# Altium PCB Reefing.PcbDoc (part 1 of 2)
Units mil, origin at the board's own origin, x right, y up, seen from the top; angles counter-clockwise.
Board outline 1377.95 x 1968.5 mil, 6 copper layers (Top Layer, Mid Layer 1 (GND), Mid Layer 2 (SIG), Mid Layer 3 (PWR), Mid Layer 4 (GND), Bottom Layer), stack 62.874 mil thick; 159 components, 99 nets, 548 pads, 266 vias.
Unrouted connection lines stored in the file: 4.
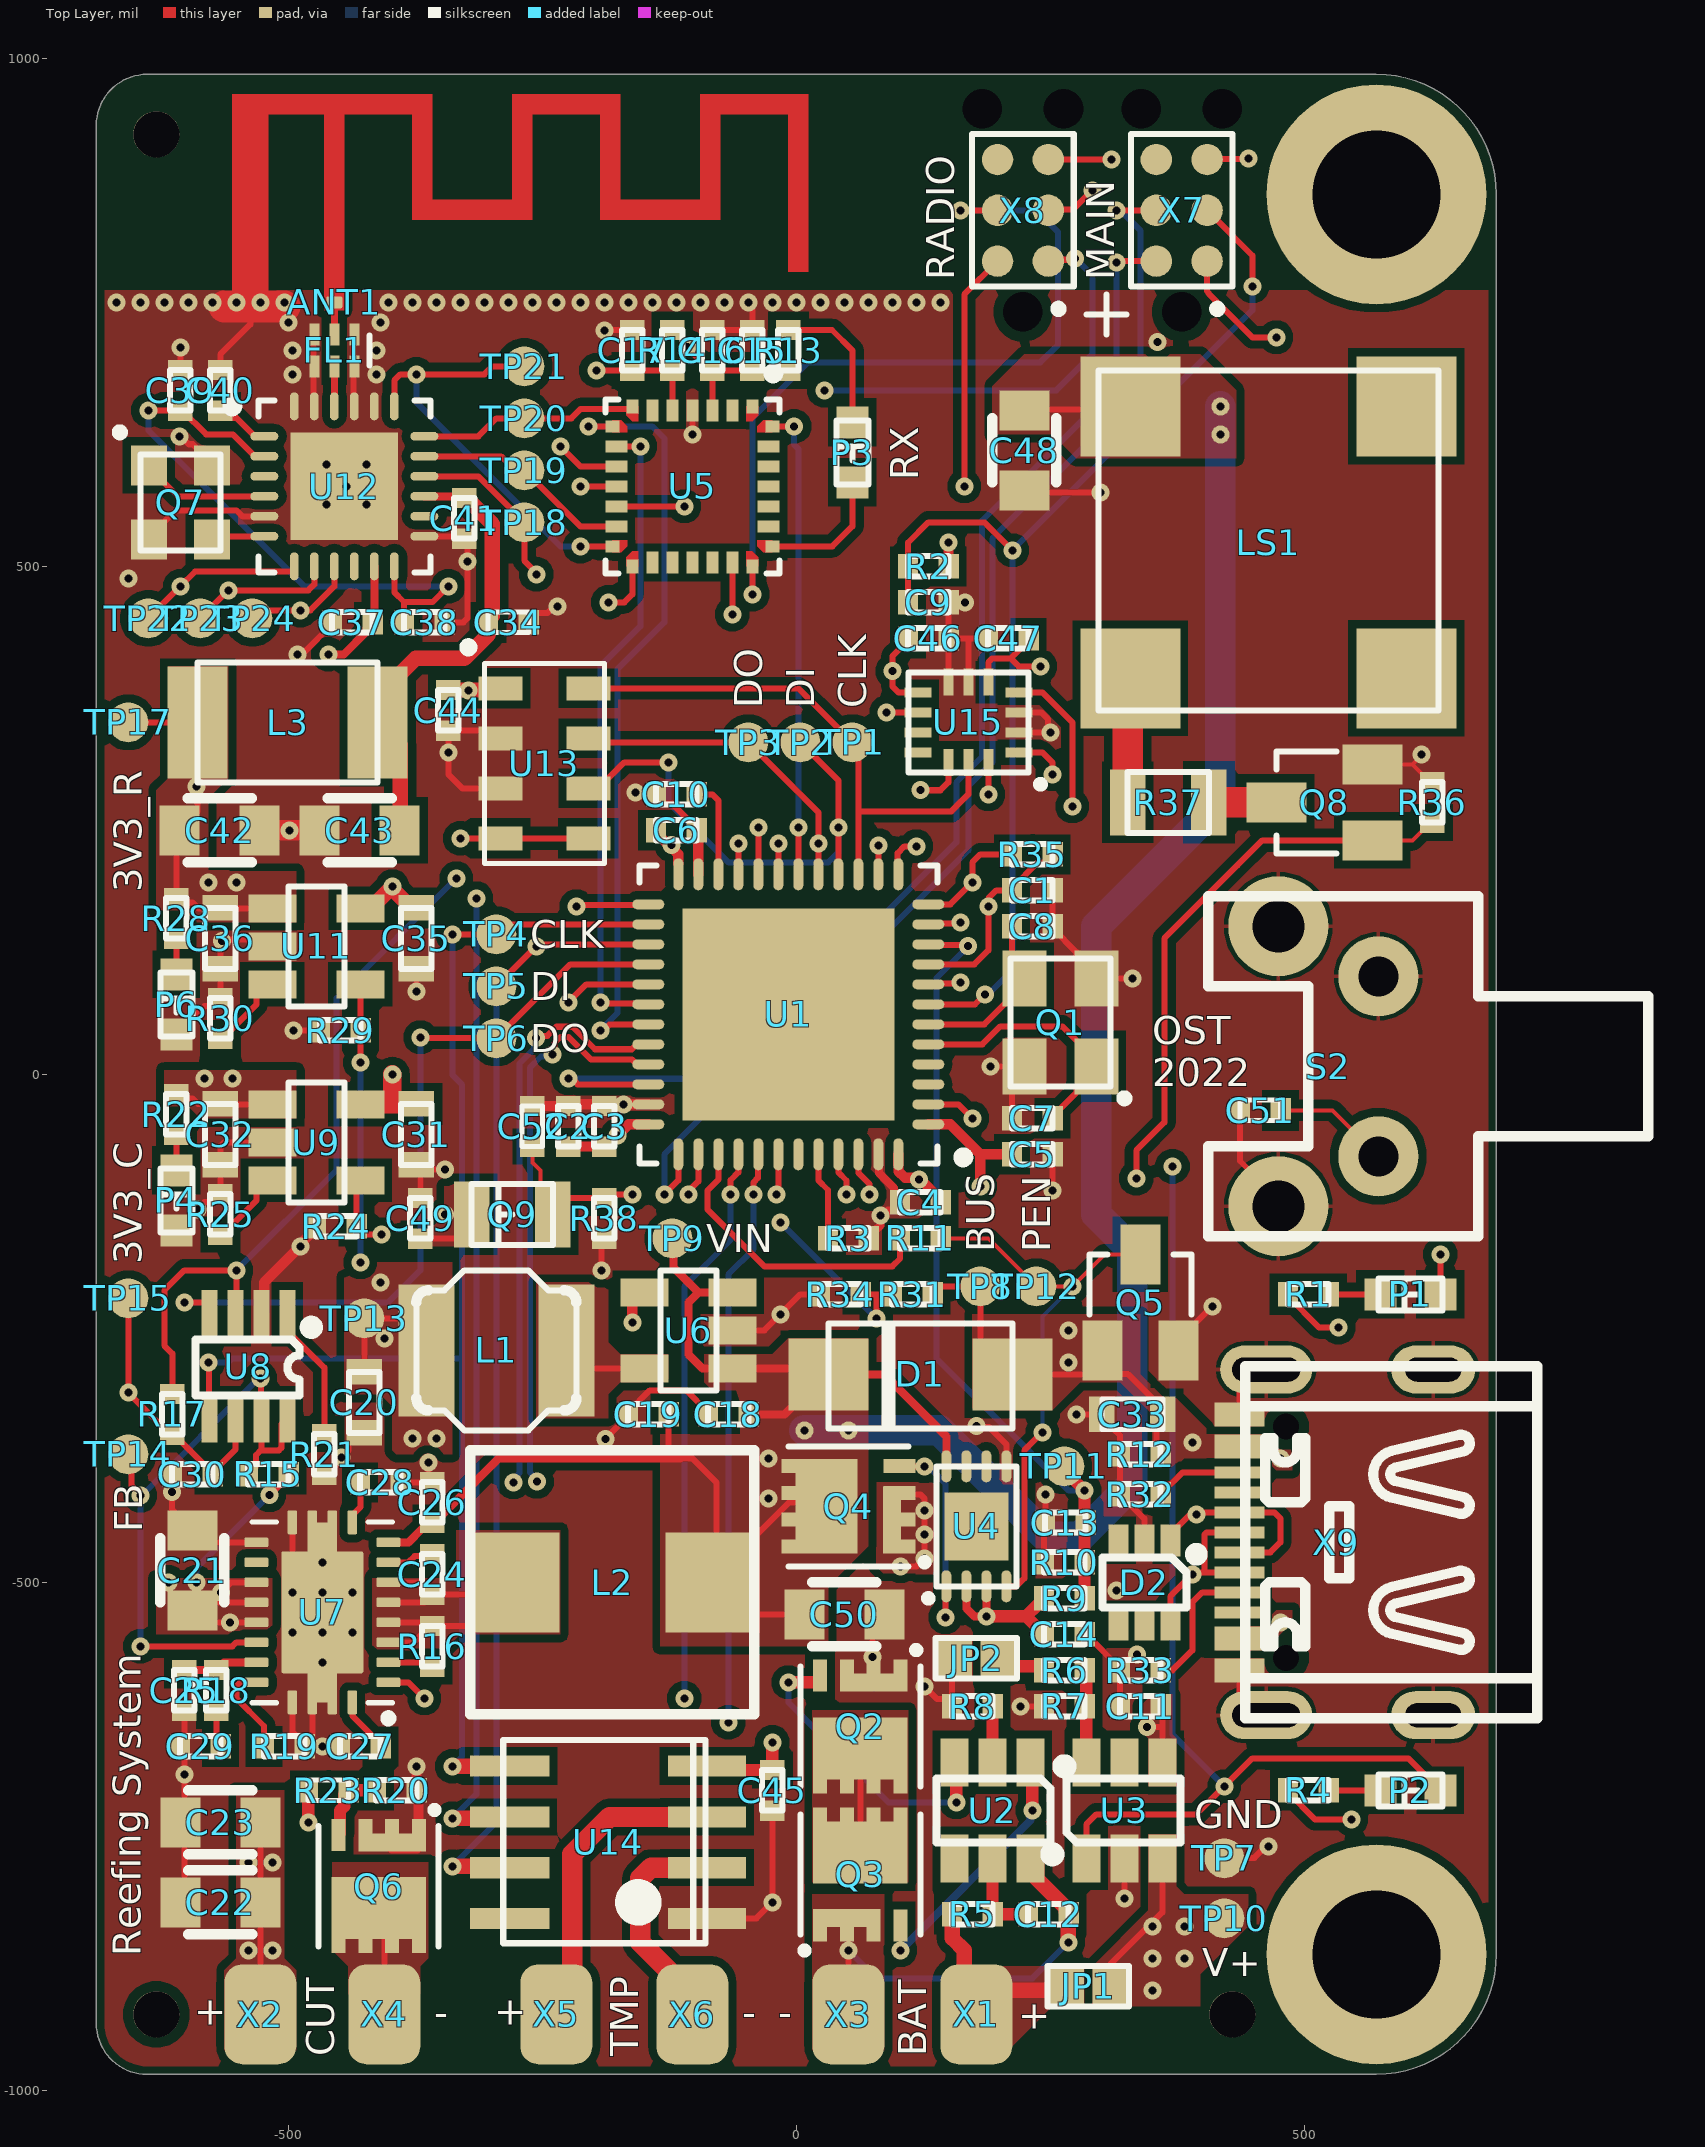
[diagram p0: Top Layer view]
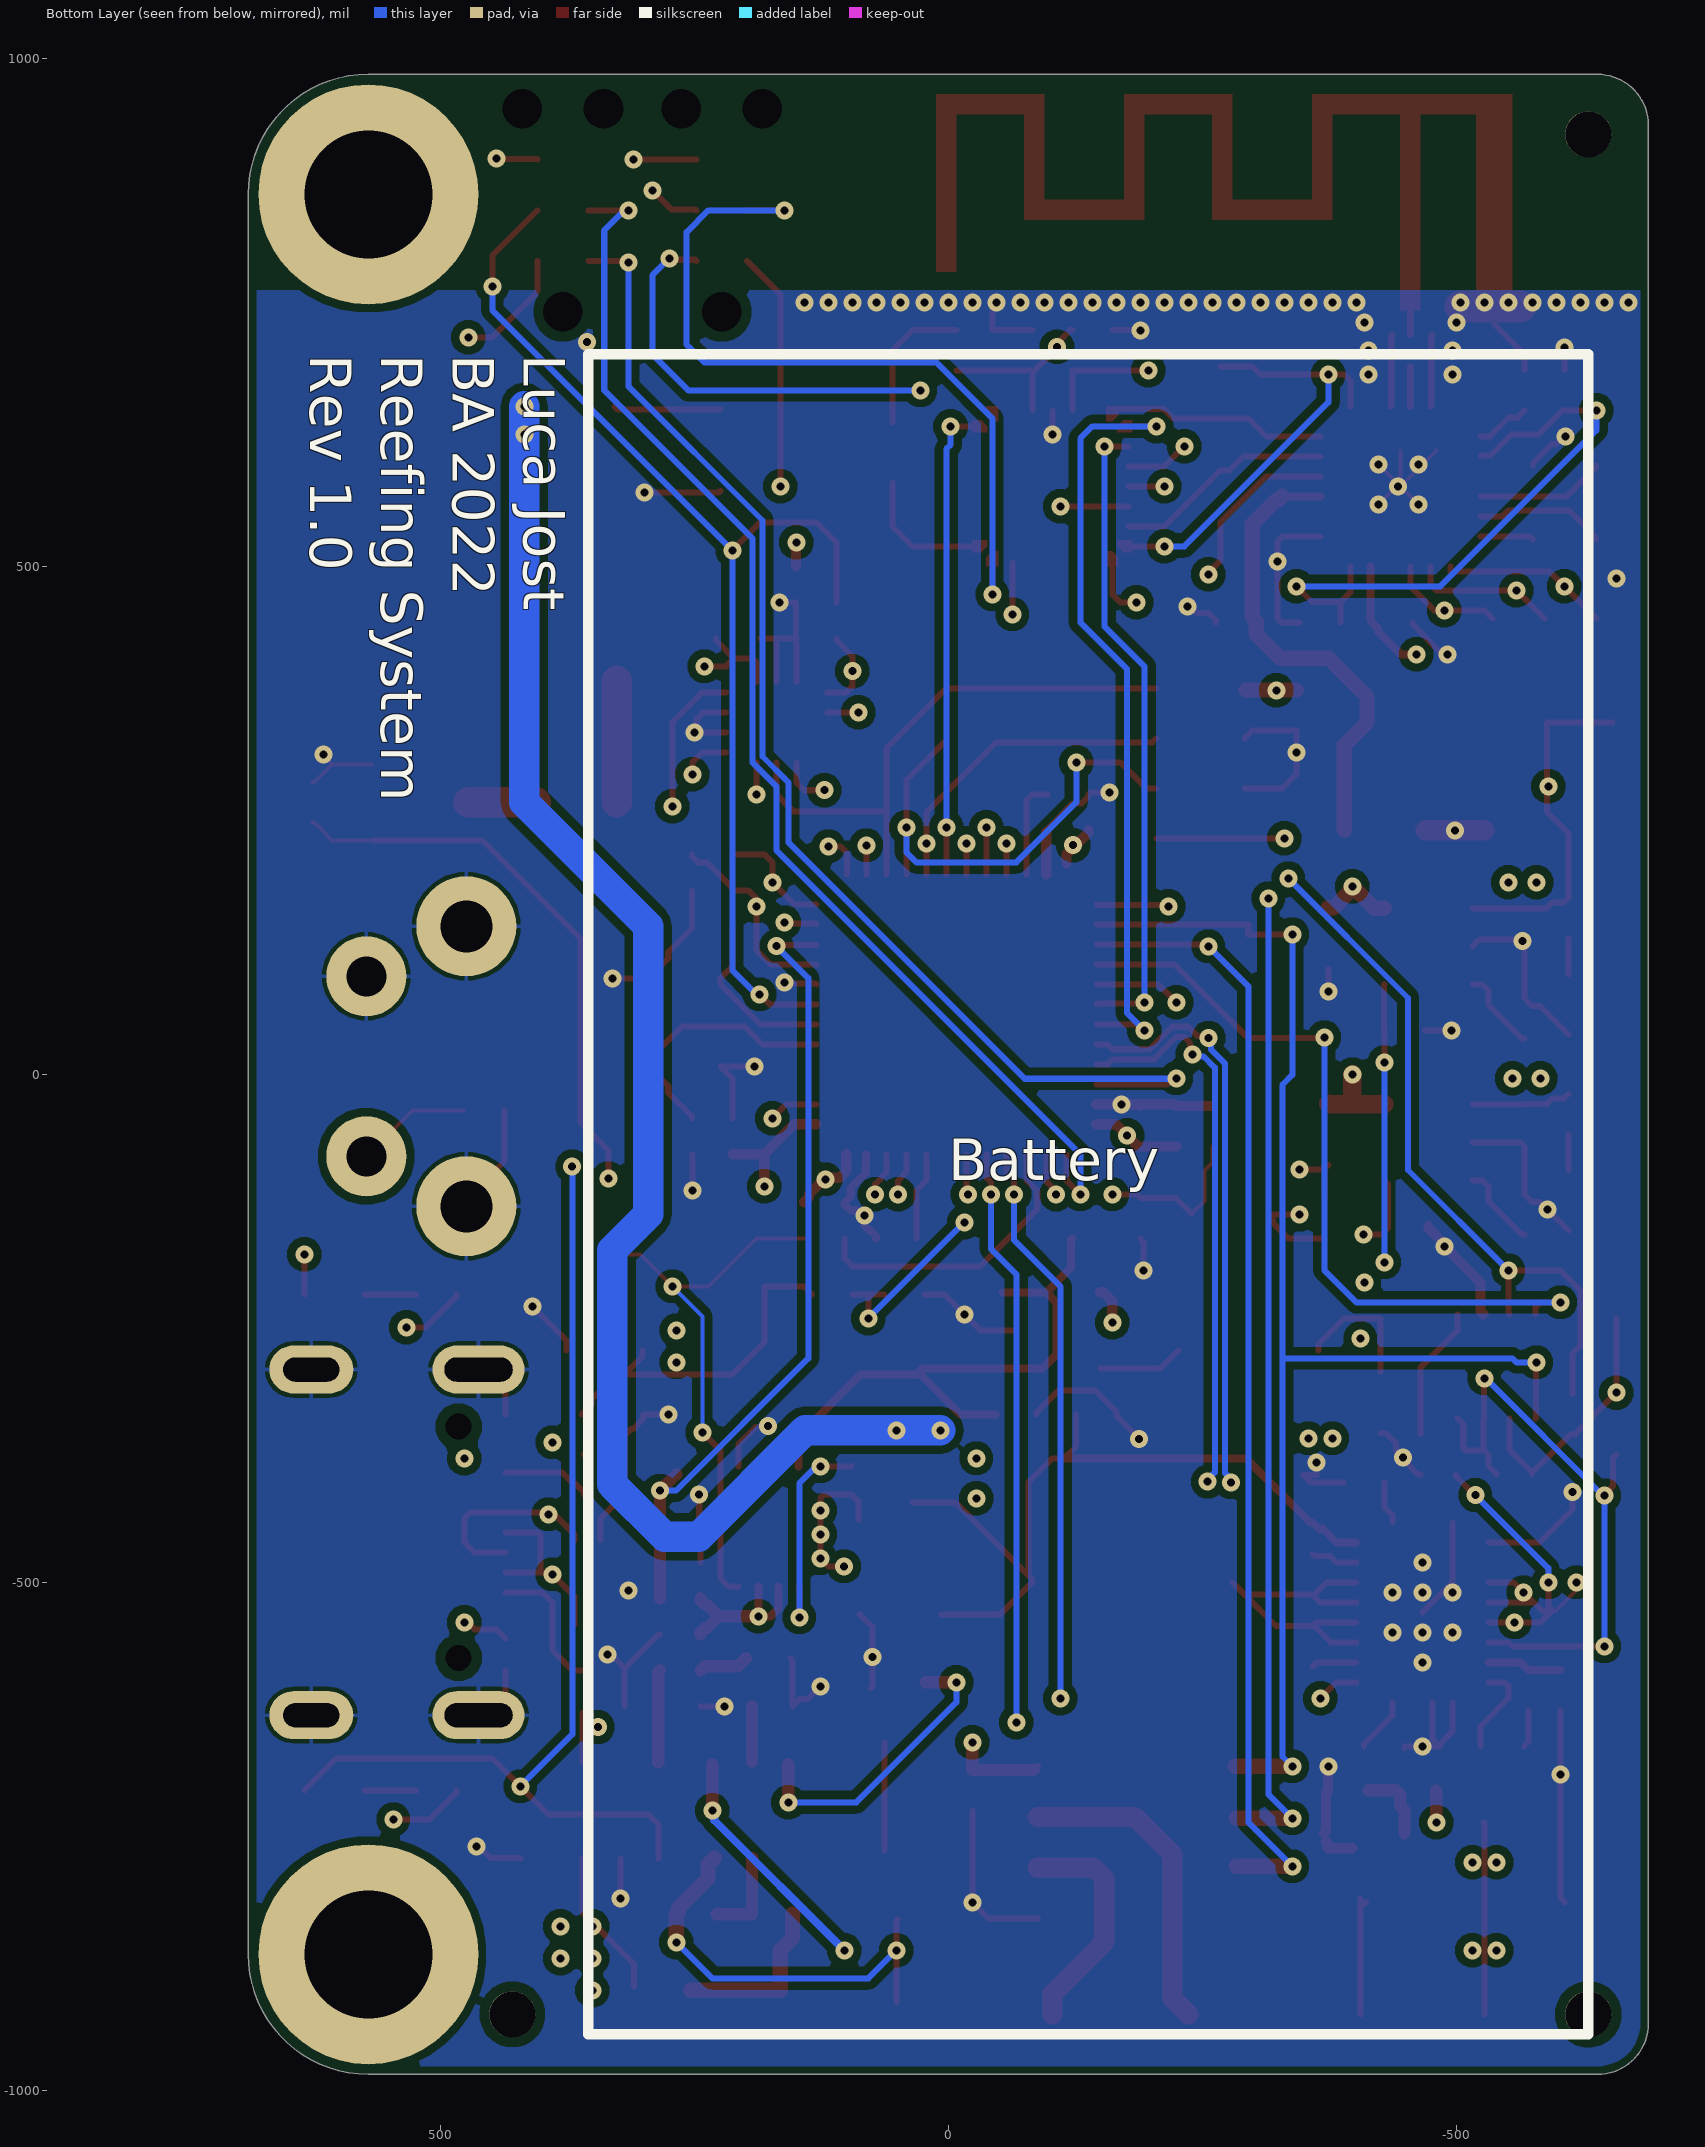
[diagram p1: Bottom Layer view, seen from below]
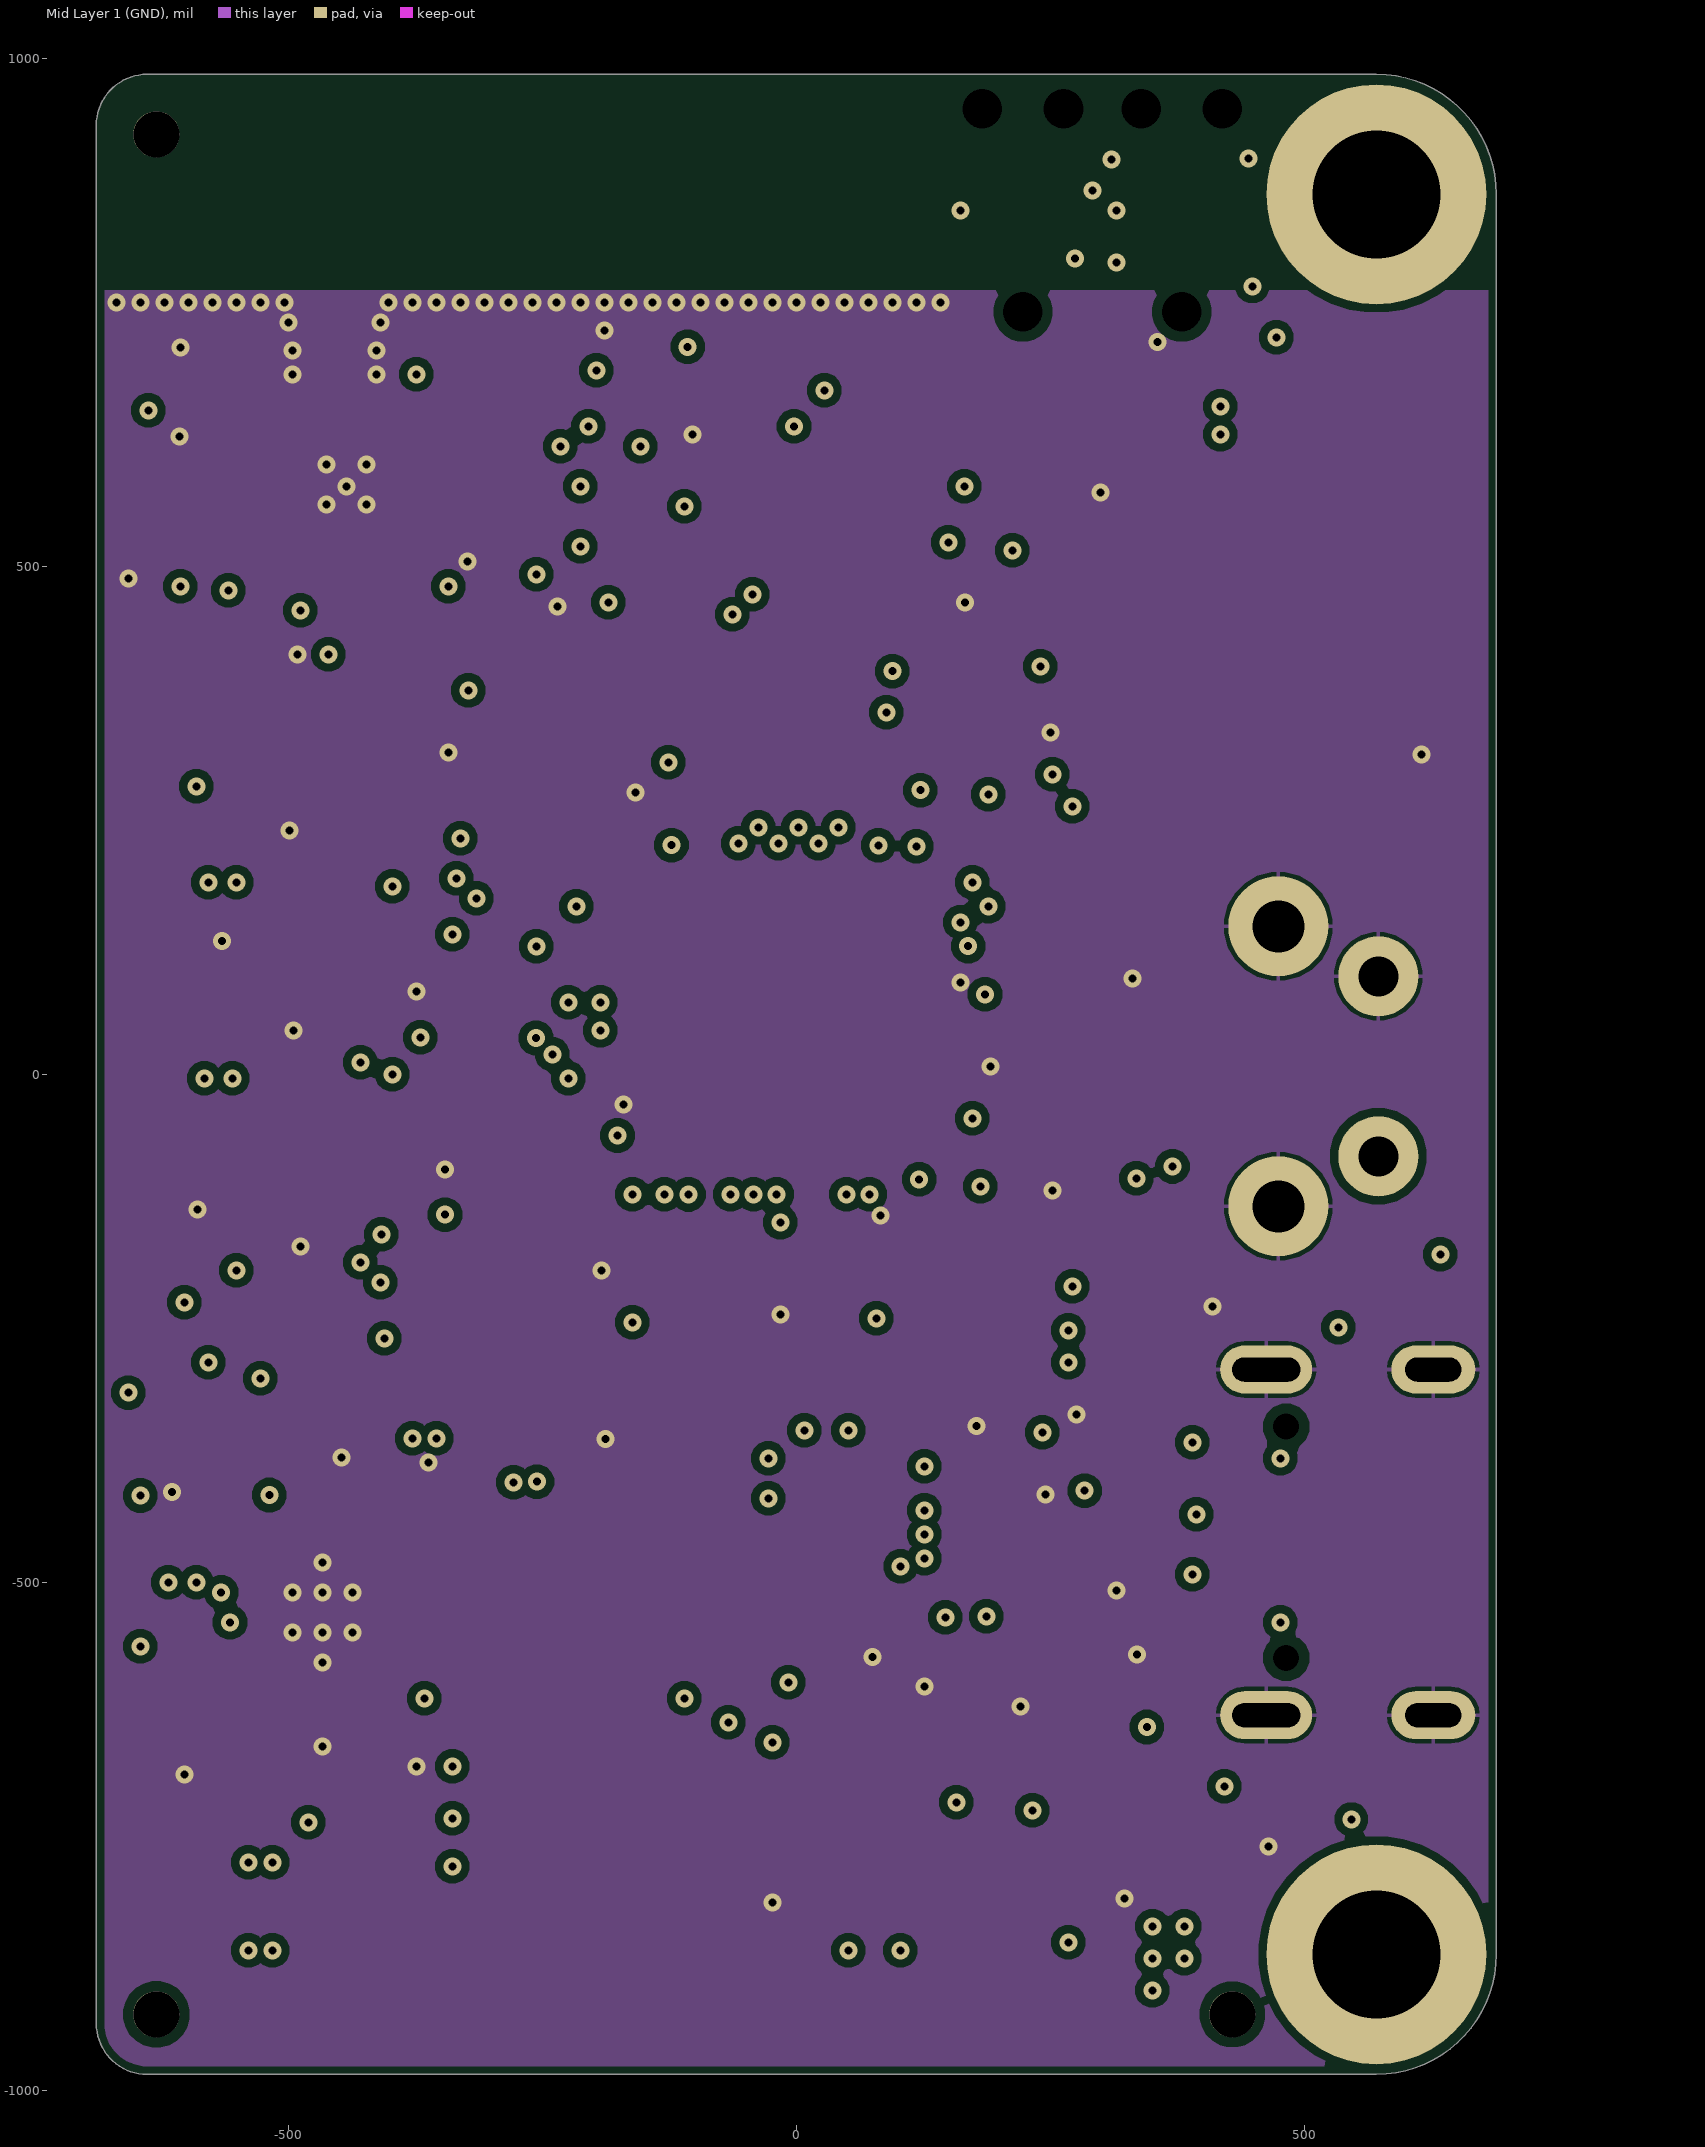
[diagram p2: Mid Layer 1 (GND)]